# KiCad board central-control-unit.kicad_pcb (continued)
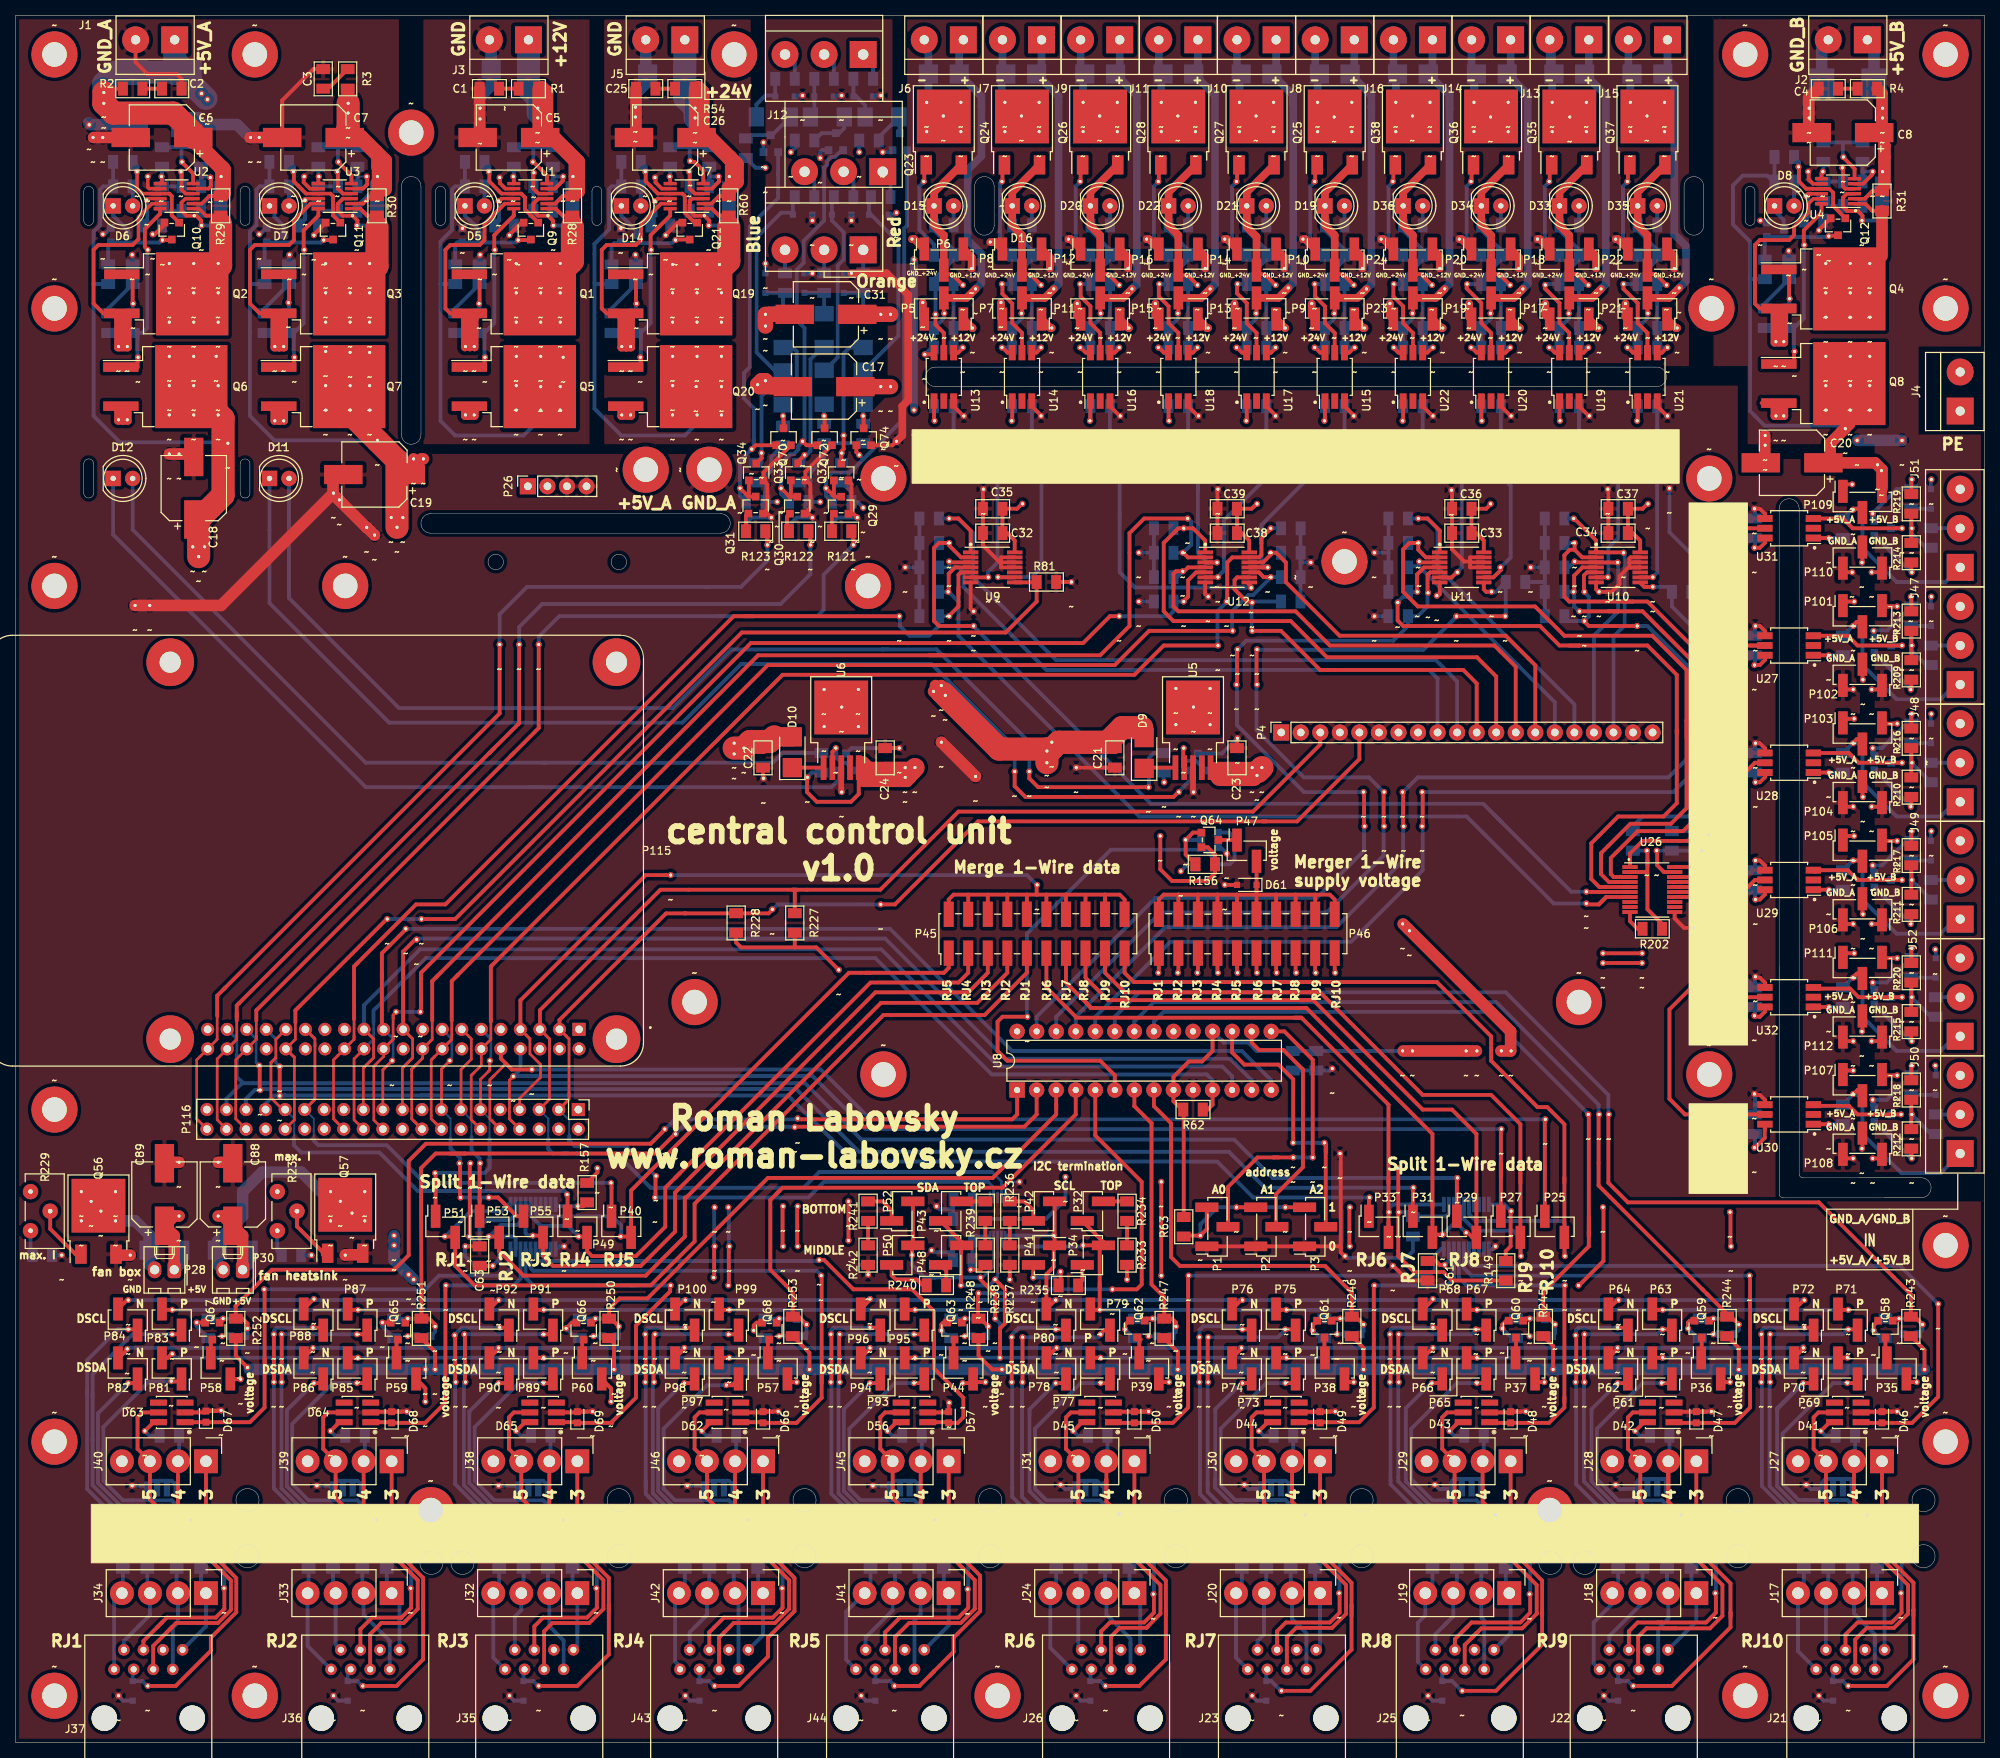
[diagram p0: board, top side]
## Routing (per net, layer and track width the routed paths; a pad name or vN(x,y) marks a point on that pad's centre or on a via; arc(x,y) is an arc through that point) (continued)
  Top w0.5: P47.2 D61.1 161.29,110.24 ; 168.91,110.24 170.82,110.24 171.45,109.6 P46.20 ; 168.91,110.24 P46.18 ; 168.91,110.24 166.37,110.24 ; P46.8 156.21,110.24 ; 156.21,110.24 153.67,110.24 ; 156.21,110.24 158.75,110.24 ; P46.14 163.83,110.24 ; 163.83,110.24 166.37,110.24 ; 163.83,110.24 161.29,110.24 ; 158.75,110.24 161.29,110.24 ; 158.75,110.24 P46.10 ; 161.29,110.24 P46.12 ; 151.13,110.24 149.23,110.24 148.59,109.6 P46.2 ; 151.13,110.24 153.67,110.24 ; 151.13,110.24 P46.4 ; 153.67,110.24 P46.6 ; 166.37,110.24 P46.16
/1-Wire bus/1WIRE_OUTDOOR_SENSOR_DATA_5V: length 76.3
  Top w0.5: D56.1 121.2,41.66 D57.1 122.46,41.57 123.19,42.29 123.19,44.83 119.38,48.64 119.38,56.07 116.52,58.93 108.9,58.93 105.09,62.74 ~#995.~
  Bottom w0.5: U24.15 67.61,62.95 67.94,62.61 104.33,62.61 ~#995.~
/1-Wire bus/1WIRE_OUTDOOR_SENSOR_DATA_OUT_3V3: length 77.6
  Top w0.5: 111.12,100.08 120.65,100.08 121.29,100.71 P45.1 ; 111.12,100.08 108.32,100.08 80.01,71.77 P40.2 79.91,65.79 78.74,65.79 ; 111.12,100.08 110.49,100.08
  Bottom w0.5: U24.6 67.61,68.77 67.96,68.42 77.56,68.42 78.74,67.24 78.74,65.79
/1-Wire bus/1WIRE_SECOND_FLOOR_FIREPLACE_DATA_5V: length 53.4
  Top w0.5: 85.09,59.44 85.09,58.67 80.64,54.22 80.64,44.83 77.56,41.75 77.56,41.57 D69.1 72.94,41.66 D65.1
  Bottom w0.25: 66.36,63.46 66.3,63.51 U24.17
  Bottom w0.5: 80.64,59.44 80.01,59.44 ; 80.01,59.44 85.09,59.44 ; 80.01,59.44 67.31,59.44 66.3,60.44 U24.17 66.3,63.32
/1-Wire bus/1WIRE_SECOND_FLOOR_FIREPLACE_DATA_OUT_3V3: length 89.9
  Top w0.5: ~#296.~ 68.35,65.91 P55.2 68.58,63.25 69.85,61.98 81.28,61.98 85.72,66.42 85.72,71.5 111.76,97.54 123.83,97.54 126.36,100.08 P45.5
  Bottom w0.25: U24.4 66.3,68.77 ; 66.3,67.24 66.3,66.79
  Bottom w0.5: ~#296.~ 66.61,65.91 66.3,66.22 U24.4
/ Relays Outputs/BLUE_LED_CON_1: length 3.2
  Bottom w0.5: 100.01,194.18 R132.2
/ Relays Outputs/BLUE_LED_CON_2: length 3.7
  Bottom w0.5: 103.82,201.17 103.82,203.07 102.55,204.34
/ Relays Outputs/BLUE_LED_CON_3: length 3.7
  Bottom w0.5: 101.28,216.41 101.28,218.31 100.01,219.58
/ Relays Outputs/ORANGE_LED_CON_1: length 3.2
  Bottom w0.5: 105.09,194.18 R131.2
/ Relays Outputs/ORANGE_LED_CON_2: length 3.7
  Bottom w0.5: 107.63,204.34 108.9,203.07 108.9,201.17
/ Relays Outputs/ORANGE_LED_CON_3: length 3.7
  Bottom w0.5: 106.36,216.41 106.36,218.31 105.09,219.58
/ Relays Outputs/RED_LED_CON_1: length 3.2
  Bottom w0.5: R130.2 110.17,194.18
/ Relays Outputs/RED_LED_CON_2: length 3.6
  Bottom w0.5: 113.73,201.17 113.73,203.33 112.71,204.34
/ Relays Outputs/RED_LED_CON_3: length 3.7
  Bottom w0.5: 111.44,216.41 111.44,218.31 110.17,219.58
/ Relays Outputs/TRAN_BLUE_LED: length 57.9
  Top w0.5: 95.26,161.98 ~#1106.~ ; 95.26,161.98 95.32,162.04 Q34.1 ; 95.26,161.98 Q31.3 ; ~#1109.~ 96.2,168.66 Q70.1
  Bottom w0.5: 99.12,201.54 99.12,201.29 ; 99.12,201.54 99.12,204.09 ; 99.12,201.54 99.12,200.78 95.44,197.1 95.44,178.82 94.68,178.05 94.68,174.75 95.95,173.48 95.95,169.42 ; Q69.1 99.12,204.09 ; 99.12,204.09 99.12,203.83 ; 95.95,169.42 95.95,168.4 94.17,166.62 94.17,162.05 R126.2 ; 95.95,169.42 95.95,168.91
/ Relays Outputs/TRAN_ORANGE_LED: length 59.1
  Top w0.5: ~#1108.~ 102.81,168.66 Q72.1 ; 100.61,161.97 ~#1105.~ ; 100.61,161.97 100.77,162.13 Q33.1 ; 100.61,161.97 Q30.3
  Bottom w0.5: R125.2 99.5,162.31 99.5,166.32 100.67,167.49 101.13,167.49 101.69,168.05 101.69,168.5 102.55,169.37 102.55,183.9 101.54,184.91 101.54,191.47 102.45,192.38 102.45,195.22 105.09,197.87 105.09,204.72 105.47,205.1 105.47,205.61 105.98,206.12 106.49,206.12 107.39,207.03 Q73.1 ; 101.79,168.15 101.79,168.66 ~#1108.~
/ Relays Outputs/TRAN_RED_LED: length 58.1
  Top w0.5: 106.24,162.18 106.36,162.31 Q32.1 ; 106.24,162.18 106.45,161.97 Q29.3 ; 106.24,162.18 ~#1104.~ ; Q74.1 109.29,167.76 ~#1107.~
  Bottom w0.5: Q71.1 115.88,197.23 115.51,196.85 115.51,172.16 108.45,165.1 106.11,165.1 105.35,164.34 105.35,162.05 R124.2 ; ~#1107.~ 110.07,166.98
/Connectors/PCB_FREE1_5V: length 12.1
  Top w0.5: U26.16 225.15,111.23 226.06,112.14 U29.5
/Connectors/PCB_FREE2_5V: length 28.8
  Top w0.5: 224.79,117.03 224.79,124.65 ; 224.79,117.03 224.79,116.4 ; 224.79,117.03 224.79,115.13 ; 224.79,124.65 224.79,123.57 ; 224.79,124.65 224.79,126.11 226.06,127.38 U28.5 ; 219.15,111.88 222.81,111.88 224.79,113.86 224.79,115.13 ; 219.15,111.88 U26.17 ; 219.15,111.88 220.27,111.88 ; 224.79,115.13 224.79,114.49
/Connectors/PCB_FREE3_5V: length 41.3
  Top w0.25: U26.18 215.65,112.53 215.72,112.45
  Top w0.5: 222.89,124.65 222.89,115.76 219.65,112.53 U26.18 ; 222.89,124.65 222.89,124.21 ; 222.89,124.65 222.89,140.72 224.79,142.62 U27.5 225.43,142.62
/Connectors/PCB_FREE4_5V: length 54.9
  Top w0.5: 217.39,113.83 219.05,113.83 220.98,115.76 220.98,125.92 ; 217.39,113.83 U26.20 ; 217.39,113.83 218.86,113.83 ; 220.98,125.92 220.98,154.05 224.79,157.86 U31.5 ; 220.98,125.92 220.98,124.84
/Connectors/PCB_PUMP_UNDERFLOOR_HEATING_FIRST_FOOR_5V: length 46.7
  Top w0.5: U30.5 216.98,81.66 214.95,83.69 214.95,95.31 220.98,101.35 220.98,108.78 219.83,109.93 U26.14
/Connectors/PCB_PUMP_UNDERFLOOR_HEATING_SECOND_FOOR_5V: length 23.2
  Top w0.5: U32.5 224.79,96.9 222.89,98.81 222.89,108.78 221.08,110.58 U26.15
/I2C bus/DSCL_N: length 299.4
  Top w0.5: 111.12,57.53 111.02,57.53 P96.2 ; 135.26,57.53 135.15,57.53 P80.2 133.99,60.9 134.94,61.85 134.94,64.54 P41.1 P42.2 ; P88.2 38.63,57.53 38.73,57.53 ; 14.6,57.53 14.5,57.53 P84.2 ; 208.28,57.53 208.18,57.53 P64.2 ; P92.2 62.76,57.53 62.86,57.53 ; 232.41,57.53 231.25,56.37 P72.2 ; 135.04,70.25 135.15,70.36 ; 159.39,57.53 159.28,57.53 P76.2 ; 182.88,56.37 182.99,56.37 184.15,57.53 ; P100.2 86.89,57.53 87,57.53
  Bottom w0.25: U25.6 129.73,65.79
  Bottom w0.5: 198.76,57.53 200.03,57.53 ; 198.76,57.53 176.53,57.53 ; 198.76,57.53 223.52,57.53 ; 53.97,57.53 38.1,57.53 ; 53.97,57.53 31.11,57.53 ; 53.97,57.53 78.74,57.53 ; 78.74,57.53 79.38,57.53 ; 78.74,57.53 125.09,57.53 ; 128.76,65.79 128.89,65.91 ~#983.~ ; 157.48,57.53 111.76,57.53 ; 157.48,57.53 176.53,57.53 ; 157.48,57.53 158.75,57.53 ; 176.53,57.53 178.08,57.53 ; 223.52,57.53 224.16,57.53 ; 223.52,57.53 232.41,57.53 ; 38.1,57.53 38.73,57.53 ; 38.1,57.53 14.6,57.53
/I2C bus/DSCL_P: length 285.9
  Top w0.5: P34.2 140.91,64.16 140.91,59.18 ; P34.2 141.39,65.07 P32.1 ; P34.2 ~#982.~ ; 20.32,56.26 19.16,56.26 P83.2 ; P75.2 163.94,56.26 165.1,56.26 ; 115.57,56.37 115.67,56.26 116.84,56.26 ; ~#230.~ 140.91,59.18 ; 140.91,59.18 140.91,59.84 ; 44.45,56.26 43.28,56.26 43.18,56.37 ; P91.2 67.41,56.26 68.58,56.26 ; P63.2 212.83,56.26 214,56.26 ; 139.7,56.37 139.81,56.26 140.97,56.26 ; 92.71,56.26 91.55,56.26 P99.2 ; P67.2 188.7,56.26 189.87,56.26 ; P71.2 236.96,56.26 238.12,56.26
  Bottom w0.35: U25.7 128.13,64.78 128.43,64.48
  Bottom w0.5: 177.8,56.26 199.39,56.26 ; 177.8,56.26 154.94,56.26 ; 177.8,56.26 178.44,56.26 ; 199.39,56.26 200.03,56.26 ; 199.39,56.26 222.89,56.26 ; 154.94,56.26 155.22,56.26 ; 154.94,56.26 124.46,56.26 125.09,56.26 ; ~#982.~ 138.59,64.48 128.43,64.48 ; 125.73,56.26 31.11,56.26 ; 222.89,56.26 238.12,56.26 ; 222.89,56.26 223.52,56.26 ; 20.32,56.26 53.97,56.26
/I2C bus/DSDA_N: length 280.2
  Top w0.5: 207.01,50.55 P62.2 208.22,51.22 ~#267.~ ; ~#242.~ 159.32,51.22 P74.2 158.12,50.55 ; ~#996.~ 127.32,58.29 125.41,60.2 ; ~#220.~ 111.06,51.22 P94.2 109.86,50.55 ; 116.73,70.36 116.63,70.25 P50.1 116.52,64.54 ~#981.~ ; P82.2 13.44,50.02 14.6,51.18 ; 61.59,50.55 P90.2 62.8,51.22 ~#196.~ ; ~#279.~ 232.35,51.22 P70.2 231.14,50.55 ; ~#207.~ 86.93,51.22 P98.2 87,51.29 ; ~#255.~ 182.92,50.02 182.88,50.02 182.88,50.55 ; ~#231.~ 135.28,51.31 P78.2 133.99,50.55 ; 37.46,50.55 P86.2 38.67,51.22 ~#185.~
  Bottom w0.25: 125.67,60.45 ~#997.~
  Bottom w0.35: U25.9 127.14,61.92 125.67,60.45
  Bottom w0.5: ~#279.~ 231.58,51.31 231.57,51.32 ; 175.44,51.32 158.45,51.32 158.43,51.31 ; 175.44,51.32 207.44,51.32 207.45,51.31 213.67,51.31 213.69,51.32 231.57,51.32 ; 175.44,51.32 176.04,51.32 ; 158.43,51.31 143.83,51.31 143.81,51.32 140.66,51.32 140.65,51.31 127.95,51.31 ; 158.43,51.31 159.7,51.31 ; 119.44,60.45 118.17,60.45 116.52,62.1 ~#981.~ ; 119.44,60.45 ~#997.~ ; 119.44,60.45 118.43,60.45 ; 231.57,51.32 232.08,51.32 232.35,51.59 ; 37.77,51.32 37.78,51.31 ~#185.~ ~#196.~ ~#207.~ ~#220.~ 127.95,51.31 ; 37.77,51.32 38.18,51.32 ; 37.77,51.32 14.68,51.32 ~#181.~ ; ~#996.~ 127.95,54.48 127.95,51.31
/I2C bus/DSDA_P: length 264.2
  Top w0.5: ~#208.~ 91.46,50.04 P97.2 ; ~#243.~ 163.85,50.04 P73.2 ; ~#999.~ 128.59,58.93 128.59,54.48 127.95,53.85 ~#998.~ ; 139.7,50.02 139.72,50.04 ~#232.~ ; P61.2 212.75,50.04 ~#268.~ ; P89.2 67.33,50.04 ~#195.~ ; 115.57,50.02 115.59,50.04 ~#221.~ ; ~#980.~ 122.87,64.54 P48.2 122.98,65.07 P43.1 ; ~#280.~ 236.88,50.04 P69.2 ; P81.2 19.79,50.02 20.32,50.55 ; 43.18,50.02 43.2,50.04 ~#184.~ ; P65.2 188.62,50.04 ~#256.~
  Bottom w0.25: 127.64,61.25 127.59,61.2 ; 127.64,62.42 127.63,62.42
  Bottom w0.35: U25.8 127.64,60.52 ~#999.~
  Bottom w0.5: 43.37,50.04 ~#184.~ 66.99,50.04 ; 43.37,50.04 20.89,50.04 ~#182.~ ; 43.37,50.04 44.01,50.04 ; ~#980.~ 126.56,59.44 ~#999.~ ; 66.99,50.04 68.14,50.04 ; 66.99,50.04 ~#208.~ ~#221.~ ~#280.~
/MCP23S17_A0: length 40.3
  Top w0.5: 164.15,76.07 163.51,76.07 ; 163.51,76.07 ~#1023.~ ; 163.51,76.07 161.42,76.07 157.59,72.24 157.59,71.84 ; 157.59,71.84 P1.2 ; 157.59,71.84 157.59,72.05 ; 168.59,87.5 168.59,88.77 164.91,92.46 U8.15 ; 168.59,87.5 ~#1024.~ ; 168.59,87.5 168.59,88.33
  Bottom w0.5: 167.32,76.07 ~#1023.~ ~#1024.~
/MCP23S17_A1: length 32.2
  Top w0.5: U8.16 160.66,91 161.61,90.04 164.78,90.04 167.32,87.5 167.32,74.8 163.83,71.31 163.83,69.6 ; 163.83,67.06 163.83,69.6 ; 163.83,69.6 163.83,70.34
/MCP23S17_A2: length 36.8
  Top w0.5: 170.29,67.16 P3.2 170.29,76.79 ; 170.29,76.79 170.29,77.81 ~#1025.~ ; 170.29,76.79 170.29,77.56 ; U8.17 158.12,89.73 159.7,88.14 164.15,88.14 166.05,86.23 ~#1026.~
  Bottom w0.5: 169.35,77.98 169.86,77.98 ; 169.35,77.98 ~#1026.~ ; 169.35,77.98 ~#1025.~
CELLAR_FIREPLACE_DSCL_N_CON: length 13.6
  Bottom w0.5: J37.1 12.83,18.41 J34.4 13.97,19.56 R185.1
CELLAR_FIREPLACE_DSCL_P_CON: length 13
  Bottom w0.5: R184.1 17.15,19.77 J34.3 17.48,16.6 16.51,15.62 ; J37.2 14.1,13.21 16.51,15.62 ; 16.51,15.62 15.88,14.99
CELLAR_FIREPLACE_DSDA_N_CON: length 14.1
  Bottom w0.5: 21.12,16.43 21.12,17.06 ; 21.12,17.06 J34.2 20.95,19.6 R183.1 ; 21.12,17.06 21.12,15.6 20.45,14.92 J37.7
CELLAR_FIREPLACE_DSDA_P_CON: length 12.1
  Bottom w0.5: R182.1 24.13,20.07 J34.1 24.77,15.11 J37.8
Earth_Protective: length 85.7
  GND.Cu w0.5: 252.73,178.18 J4.1 246.38,173.1 239.4,166.12 225.23,166.12 222.57,168.78 218.12,168.78 216.22,166.88 216.22,161.8 219.08,158.94 219.08,145.16 212.76,138.84 P4.20
FIRST_FLOOR_FIREPLACE_DSCL_N_CON: length 14.4
  Bottom w0.5: J36.1 37.98,12.57 J33.4 38.1,19.56 R189.1
FIRST_FLOOR_FIREPLACE_DSCL_P_CON: length 13.8
  Bottom w0.5: 41.61,16.6 J33.3 ; J33.3 41.27,19.77 R188.1 ; J33.3 41.61,12.74 J36.2
FIRST_FLOOR_FIREPLACE_DSDA_N_CON: length 14.6
  Bottom w0.5: 48.64,9.53 48.64,13.23 45.25,16.62 J33.2 45.09,19.6 R187.1
FIRST_FLOOR_FIREPLACE_DSDA_P_CON: length 11.2
  Bottom w0.5: R186.1 48.26,20.07 J33.1 49.91,18.41 J36.8
FREE1_DSCL_N_CON: length 13.9
  Bottom w0.5: J26.1 134.5,12.32 134.5,18.8 135.26,19.56 135.26,21.97
FREE1_DSCL_P_CON: length 10.2
  Bottom w0.5: 138.43,21.97 138.43,19.09 138.14,18.8 138.14,12.49 J26.2
FREE1_DSDA_N_CON: length 14.1
  Bottom w0.5: 141.61,21.97 141.61,18.97 141.78,18.8 141.78,16.66 144.91,13.52 144.91,12.64 ; 144.91,12.64 144.91,9.53 ; 144.91,12.64 144.91,12.95
FREE1_DSDA_P_CON: length 10.5
  Bottom w0.5: J26.8 146.18,18.03 144.78,19.43 144.78,21.97
FREE2_DSCL_N_CON: length 20.9
  Bottom w0.5: J23.1 158.62,11.05 158.62,18.8 ; 159.39,21.97 159.39,19.56 158.62,18.8 ; 158.62,18.8 158.62,11.3
FREE2_DSCL_P_CON: length 10.9
  Bottom w0.5: 162.56,21.97 162.56,19.09 162.27,18.8 ; 162.27,18.8 162.27,14.06 161.42,13.21 J23.2 ; 162.27,18.8 161.93,18.46
FREE2_DSDA_N_CON: length 14.7
  Top w0.5: 167.51,9.27 167.89,9.65
  Bottom w0.5: 166.37,15.62 167.77,14.22 J23.7 ; 166.37,15.62 167.01,14.98 ; 166.37,15.62 165.91,16.09 165.91,18.8 165.74,18.97 165.74,21.97
FREE2_DSDA_P_CON: length 14.8
  Bottom w0.5: 169.55,18.8 169.55,12.57 J23.8 ; 169.55,18.8 169.55,14.35 ; 169.55,18.8 168.91,19.43 168.91,21.97
FREE3_DSCL_N_CON: length 13.7
  Bottom w0.5: 184.15,21.97 184.15,19.73 183.22,18.8 183.22,16.55 182.25,15.58 182.25,10.54 183.26,9.53
FREE3_DSCL_P_CON: length 12
  Bottom w0.5: J25.2 184.53,14.1 186.06,15.62 ; 186.06,15.62 186.86,16.43 186.86,18.8 187.33,19.26 187.33,21.97 ; 186.06,15.62 185.42,14.99
FREE3_DSDA_N_CON: length 12.6
  Bottom w0.5: 190.5,21.97 190.5,16.26 190.88,15.87 J25.7
FREE3_DSDA_P_CON: length 13.8
  Bottom w0.5: 194.31,14.35 194.31,14.92 ; 194.31,14.92 194.31,14.22 J25.8 193.68,13.59 ; 194.31,14.92 194.31,18.63 193.68,19.26 193.68,21.97
FREE4_DSCL_N_CON: length 14.1
  Bottom w0.5: 208.28,21.97 208.28,19.56 207.52,18.8 207.52,18.04 205.11,15.62 205.11,10.29 J22.1
FREE4_DSCL_P_CON: length 11.7
  Bottom w0.5: 211.46,21.97 211.46,19.09 211.16,18.8 211.16,17.87 207.14,13.84 J22.2
FREE4_DSDA_N_CON: length 13.1
  Bottom w0.5: J22.7 213.49,14.77 214.8,16.09 214.8,18.8 214.63,18.97 214.63,21.97
FREE4_DSDA_P_CON: length 11.7
  Bottom w0.5: 217.81,21.97 217.81,19.43 218.44,18.8 218.44,15.75 J22.8
FREE5_DSCL_N_CON: length 13.7
  Bottom w0.5: 232.41,21.97 232.41,19.56 231.65,18.8 231.65,11.89 J21.1
FREE5_DSCL_P_CON: length 12.2
  Bottom w0.5: J21.2 235.28,18.79 235.29,18.8 ; 235.29,18.8 235.59,19.09 235.59,21.97 ; 235.29,18.8 235.29,16.6
FREE5_DSDA_N_CON: length 14.4
  Bottom w0.5: 241.63,12.59 241.63,14.08 238.93,16.78 238.93,18.8 238.76,18.97 238.76,21.97 ; 241.63,12.59 241.63,13.38 ; 241.63,12.59 J21.7
FREE5_DSDA_P_CON: length 10.3
  Bottom w0.5: 241.94,21.97 241.94,19.43 242.9,18.46 J21.8
HOT_WATER_TANK_DSCL_N_CON: length 13.9
  Bottom w0.5: J43.1 86.36,9.91 85.72,10.54 85.72,18.92 J42.4 87,20.19 R201.1
HOT_WATER_TANK_DSCL_P_CON: length 13.9
  Bottom w0.5: R200.1 90.17,19.73 J42.3 89.88,16.6 ; 89.88,16.6 87.63,14.35 J43.2 ; 89.88,16.6 88.27,14.99
HOT_WATER_TANK_DSDA_N_CON: length 13.3
  Bottom w0.5: R199.1 93.34,19.6 J42.2 93.98,18.97 J43.7
HOT_WATER_TANK_DSDA_P_CON: length 12.2
  Bottom w0.5: J43.8 97.16,13.97 97.16,14.99 ; R198.1 96.52,20.07 J42.1 97.16,14.99 ; 97.16,14.99 97.16,14.35
I2C_SCL: length 211
  Top w0.25: 67.94,93.26 68.04,93.36
  Top w0.35: P116.5 69.41,83.63 69.41,91.06 ; 69.41,91.31 69.41,91.06 ; 69.41,91.06 69.41,91.48 P115.5 69.34,91.55
  Top w0.5: 101.6,110.87 100.97,110.87 ; 100.97,110.87 101.16,110.87 ; 100.97,110.87 83.82,110.87 80.01,107.06 ; 80.01,107.06 80.64,107.7 ; 80.01,107.06 68.17,95.22 P115.5 ; R227.2 101.28,110.74 101.16,110.87 ; 101.16,110.87 112.39,110.87 122.55,121.03 160.85,121.03 169.58,129.76 P4.3
  Bottom w0.25: 69.25,79.38 69.25,81.12 ; 69.25,81.12 69.25,78.52 69.22,78.49 ; 69.25,81.12 P116.5
  Bottom w0.35: 126.94,74.17 128.14,72.97 U25.4
  Bottom w0.5: 71.75,76.58 71.12,76.58 ; 71.75,76.58 69.85,76.58 69.25,77.18 69.25,78.52 ; 71.75,76.58 78.11,76.58 82.55,72.14 87,72.14 ; 126.94,74.17 104.46,74.17 102.43,72.14 87,72.14 ; 87,72.14 86.36,72.14
I2C_SDA: length 211.4
  Top w0.35: 71.88,83.57 P116.3 71.95,83.63 71.95,84.46 ; 71.95,84.46 71.95,83.95 ; 71.95,84.46 71.95,91.48 P115.3 71.88,91.55
  Top w0.5: P115.3 70.71,93.95 80.64,103.89 ; P4.5 174.66,127.86 166.56,119.76 162.12,119.76 ; 87.1,107.8 84.56,107.8 80.64,103.89 ; 87.1,107.8 86.93,107.8 ; 87.1,107.8 93.68,107.8 ; 83.19,70.87 83.19,73.69 ; 162.12,119.76 162.56,119.76 ; 162.12,119.76 125.09,119.76 114.3,108.97 112.39,108.97 ; 80.64,103.89 81.39,104.63 ; 98.42,108.33 97.89,107.8 93.68,107.8 ; R228.2 93.68,107.8
  Bottom w0.25: P116.3 71.98,80.93 71.98,78.9
  Bottom w0.35: U25.2 127.14,72.19 126.43,72.9
  Bottom w0.5: 73.94,77.57 72.67,77.57 71.98,78.26 71.98,78.9 ; 73.94,77.57 79.3,77.57 ; 73.94,77.57 73.31,77.57 ; 79.3,77.57 80.47,76.4 79.38,77.5 ; 79.3,77.57 83.19,73.69 ; 98.42,108.33 99.06,108.97 112.39,108.97 ; 86.36,70.87 83.19,70.87 ; 86.36,70.87 87.19,70.87 ; 86.36,70.87 86.01,70.87 ; 87.19,70.87 87.63,70.87 ; 87.19,70.87 103.06,70.87 105.09,72.9 126.43,72.9
OTHER_+3V3: length 82.8
  Top w0.5: U5.5 C23.1 160.66,126.75
  Top w1.5: 160.66,126.75 161.93,126.75 ; ~#386.~ 156.02,126.75
  Top w2.5: ~#358.~ 160.85,125.6 156.53,125.6
  Top w3: ~#358.~ 161.48,126.24
  PWR.Cu w0.5: 149.23,124.84 159.39,124.84 160.66,126.11 160.66,126.75 162.56,126.75 ; 179.71,126.75 162.56,126.75 ; 162.56,126.75 163.2,126.75
  PWR.Cu w1.5: 179.26,126.75 180.53,126.75 182.28,128.49 P4.8 ; 160.66,126.75 161.35,126.75 ; 161.35,126.75 ~#1145.~ ; 161.35,126.75 179.71,126.75 ; 166.81,126.75 167.04,126.97 P4.2
  Bottom w0.5: 149.23,124.84 R52.1
OTHER_+5V_A: length 1547
  Top w0.5: 62.02,61.98 C63.1 ; 238.76,148.34 238.02,148.34 P101.1 ; C61.1 184.59,62.61 185.1,62.1 ~#313.~ ; 238.76,102.62 238.02,102.62 P111.1 ; 226.06,77.34 227.33,78.61 227.33,80.37 U30.6 227.36,79.78 ; Q65.2 48.75,54.61 ~#193.~ ; ~#180.~ 24.4,54.61 24.64,54.85 24.64,54.8 ; 72.79,54.48 Q66.2 72.31,54.59 ~#203.~ ; ~#281.~ 241.49,54.27 Q58.2 ; ~#257.~ 193.23,54.36 193.72,54.85 Q60.2 ; ~#246.~ 168.59,54.36 168.67,54.36 Q61.2 ; U31.6 227.36,155.98 226.7,155.32 226.06,155.32 ; 238.76,117.86 238.02,117.86 P105.1 ; ~#984.~ 125.41,61.47 126.05,62.1 ; 238.76,87.38 238.02,87.38 P107.1 ; Q64.2 154.94,116.4 155.89,115.44 R156.1 155.89,113.03 154.88,112.01 150.3,112.01 148.78,113.54 148.78,117.6 ; ~#271.~ 217.36,54.61 217.6,54.85 Q59.2 ; 238.76,163.58 238.02,163.58 237.49,163.05 ; 97.01,54.61 Q68.2 96.31,54.59 95.95,54.23 ~#217.~ ; 226.06,124.84 226.7,124.84 227.36,125.5 U28.6 ; 226.06,109.6 226.7,109.6 227.36,110.26 227.36,110.87 ; U27.6 227.36,140.74 226.7,140.08 226.06,140.08 ; 238.76,133.1 238.02,133.1 P103.1 ; ~#235.~ 144.21,54.36 144.45,54.59 ; U32.6 227.36,95.02 226.7,94.36 226.06,94.36 ; Q63.2 120.59,54.61 120.33,54.36 ~#222.~ ; U26.19 214.23,113.18 213.36,114.05 213.36,115.95 ; ~#985.~ 144.46,62.1
  Top w1: 119.57,137.41 119.32,137.16 ~#1141.~ 120.33,136.65 ; 120.33,136.65 120.59,136.4 ; 120.33,136.65 ~#406.~
  Top w1.5: 43.38,174.17 Q7.3 43.38,172.9 47.09,169.2 ; P28.1 20.64,65.91 C89.1 20.64,68.45 ~#1022.~ ; ~#1141.~ 119.82,136.14 ~#405.~ 120.84,136.91 ~#406.~ ; P30.1 29.53,65.91 C88.1 26.99,68.45 ~#1021.~ ; 142.88,129.92 C21.1 132.72,129.29 ; 119.57,137.41 120.59,136.4 ; 133.99,129.29 133.99,127.38 ; ~#1008.~ 51.75,165.86 C19.1 52.77,166.88 ~#1009.~
  Top w3: 134.05,129.16 134.68,129.16 135.57,130.05 141.92,130.05 143.83,131.95 146.37,131.95 ; 134.05,129.16 ~#353.~ ; 134.05,129.16 127.83,129.16 120.59,136.4 ; ~#768.~ 49.59,166.69 43.5,172.78 ~#871.~
  PWR.Cu w0.5: 26.99,73.53 31.5,73.53 34.04,70.99 ; 26.99,73.53 26.35,73.53 ; 26.99,73.53 20.64,73.53 20.32,73.22 ; 226.06,155.32 221.62,155.32 ; ~#984.~ 121.6,61.47 ; 121.6,61.47 120.59,61.47 120.33,61.21 ; 121.6,61.47 120.78,61.47 ; 47.69,60.2 47.69,60.58 ; 47.69,60.2 47.69,60.96 47.18,61.47 ; 47.69,60.2 ~#193.~ ; ~#281.~ 241.49,67.5 ; ~#235.~ 144.21,59.94 ~#985.~ 144.46,67.18 144.89,67.61 ; 237.41,117.94 237.49,117.86 238.76,117.86 ; 95.95,54.61 95.95,55.12 ; 95.95,55.12 ~#217.~ ; 95.95,55.12 95.95,67.31 95.65,67.61 ; ~#222.~ 120.33,61.21 ; 217.09,67.61 217.36,67.34 ~#271.~ ; 141.61,136.27 141.29,135.95 ; 52.77,65.66 53.09,65.98 ; 33.46,57.02 33.78,57.34 ; 221.62,124.21 221.62,124.84 226.06,124.84 ; 146.05,140.72 164.47,140.72 ; 120.33,61.21 120.33,67.18 120.76,67.61 120.65,67.5 ; ~#180.~ 23.56,56.13 24.13,56.71 ; ~#257.~ 193.23,61.85 193.68,62.29 193.68,67.53 193.59,67.61 ; 62.02,61.98 63.5,63.46 63.5,67.69 ; 1.97,70.87 7.18,76.07 9.84,76.07 ; 28.64,57.28 28.7,57.34 ; 9.84,76.07 12.38,76.07 ; 9.84,76.07 17.46,76.07 ; 221.62,115.76 221.42,115.95 219.08,115.95 ; 69.83,67.61 69.83,62.95 71.56,61.21 71.56,54.86 ; 226.06,77.34 225.11,77.34 ; 48.26,61.15 48.58,61.47 ; 133.99,126.11 133.99,129.29 ; 237.41,133.02 237.49,133.1 238.76,133.1 ; 238.76,148.34 237.49,148.34 237.41,148.26 ; 237.41,87.93 237.96,87.38 238.76,87.38 ; 221.62,101.98 221.62,101.35 226.06,96.9 226.06,94.36 ; 71.56,54.86 71.56,54.48 ; 71.56,54.86 ~#203.~ ; 226.06,109.6 221.62,109.6 ; ~#246.~ 168.59,67.31 168.29,67.61 ; 226.06,140.08 221.62,140.08 ; 148.97,121.35 148.78,121.16 ~#1065.~ ; 238.76,102.62 237.49,102.62 237.41,102.54 ; 152.4,121.03 152.08,121.35 ; ~#313.~ 182.88,64.96 182.88,67.53 182.8,67.61 182.88,67.69 ; 238.76,163.58 235.59,163.58 ; 241.49,68.01 241.38,68.12
  PWR.Cu w1: 102.81,207.52 108.9,207.52 ~#1086.~ ; 102.81,207.52 101.54,207.52 ; 102.81,207.52 101.28,207.52 ; 105,160.88 ~#1077.~ 103.82,162.05 103.82,168.66 106.36,171.2 111.7,171.2 113.73,173.23 ~#1082.~ ; 105,160.88 105,146.65 ; 105,160.88 109.82,160.88 ~#1078.~ ; 99.66,146.65 99.5,146.81 99.5,160.78 ~#1076.~ ; ~#1083.~ 113.98,195.58 113.98,196.34 109.92,200.41 100.01,200.41 97.47,202.95 ~#1084.~ 100.27,207.52 101.28,207.52 ; 101.28,207.52 101.28,207.26 ~#1085.~ ; 99.89,146.88 100.11,146.65
  PWR.Cu w1.5: 208.83,67.61 241.38,67.61 ; 208.83,67.61 208.92,67.69 208.92,107.7 ; 208.83,67.61 54.72,67.61 48.58,61.47 39.05,61.47 34.92,57.34 24.77,57.34 24.13,56.71 ; 120.65,136.27 113.44,143.48 108.17,143.48 105,146.65 56.74,146.65 49.59,153.8 49.59,159.26 ; 208.92,107.7 198.76,107.7 185.1,121.35 136.21,121.35 133.99,123.57 133.99,129.29 145.42,140.72 ; 208.92,107.7 213.36,107.7 ; 221.62,141.99 221.62,121.03 ; 221.62,141.99 221.62,157.23 ; 221.62,141.99 221.62,140.72 ; 221.62,157.23 221.62,158.5 ; 221.62,157.23 221.62,159.13 226.7,164.21 234.95,164.21 237.41,161.75 237.41,86.66 ; ~#1021.~ 23.81,68.45 ; 23.81,68.45 23.81,69.72 13.02,80.52 13.02,154.81 18.1,159.89 36.51,159.89 38.42,161.8 38.42,163.7 41.59,166.88 ~#1008.~ ~#1009.~ ; 23.81,68.45 ~#1022.~ ; 221.62,108.33 221.62,121.03 ; 221.62,108.33 221.62,101.98 214.95,95.31 214.95,82.42 220.03,77.34 226.06,77.34 ; 221.62,108.33 220.98,107.7 213.36,107.7 ; P4.1 164.5,140.05 163.83,140.72 160.02,140.72 ; 145.42,140.72 146.05,140.72 ; 145.42,140.72 160.66,140.72 ; 221.62,121.03 221.62,119.76 ; 213.36,107.7 219.08,107.7
  Bottom w0.25: 62.86,65.15 62.86,63.25 ; 65.02,64.13 U24.19 ; 186.29,63.52 186.31,63.5
  Bottom w0.5: 62.86,62.83 62.86,65.15 63.5,65.79 64.77,65.79 65,65.55 U24.19 ; 62.86,62.83 62.86,63.25 ; 62.86,62.83 62.02,61.98 ; 30.48,189.61 30.48,172.47 33.66,169.29 46.99,169.29 ; 30.48,189.61 R46.1 ; 30.48,189.61 30.48,196.41 31.34,197.26 31.34,201.9 31.75,202.31 R50.1 R42.1 ; 226.06,77.34 C79.1 C73.1 ; ~#180.~ 23.56,54.1 R159.1 ; 222.89,97.47 224.72,95.63 C81.1 226.06,94.36 ; 94.93,206.25 R254.1 96.2,204.72 ~#1084.~ ; ~#271.~ 218.63,52.58 R151.1 ; ~#203.~ 72.83,52.58 R161.1 ; 103.06,163.83 R128.1 103.31,163.83 ; ~#217.~ 96.96,52.58 R158.1 ; ~#257.~ 194.5,52.58 R152.1 ; ~#1076.~ R126.1 ; R126.1 97.47,162.56 ; R126.1 97.47,163.83 ; ~#193.~ 47.69,54.1 R160.1 ; 103.31,163.83 103.31,161.54 R125.1 ~#1077.~ ; 103.31,163.83 103.31,165.1 105.09,166.88 R257.1 R259.1 ; ~#984.~ 124.4,61.72 C67.1 124.4,65.21 C66.1 124.97,65.79 126.43,65.79 ; ~#1078.~ 109.41,161.29 R124.1 108.65,162.56 R127.1 ; R258.1 101.28,207.26 ~#1085.~ ; R153.1 169.61,52.58 ~#246.~ ; ~#222.~ 121.35,52.58 R155.1 ; C71.1 C77.1 226.06,124.84 ; 226.06,109.6 226.06,110.87 222.89,110.87 ; C80.1 226.06,155.32 ; C80.1 226.06,155.96 ; C80.1 C74.1 ; R150.1 242.51,52.58 ~#281.~ ; 97.47,163.83 97.47,164.59 98.23,165.35 98.23,167.13 R255.1 ; 97.47,163.83 R129.1 ; 213.36,115.95 C69.1 219.08,115.95 ; ~#235.~ 145.35,52.58 R154.1 ; 226.06,140.08 C76.1 C70.1 ; ~#1086.~ R256.1 ; ~#313.~ 186.29,62.66 U23.19
  Bottom w1: 116.78,191.52 ~#1082.~ ; 116.78,191.52 116.78,192.28 ; 116.78,191.52 ~#1083.~
  Bottom w1.5: P28.1 21.37,62.2 D58.1 ; D59.1 30.26,62.2 P30.1
OTHER_+5V_B: length 262.1
  Top w0.5: 244.48,132.46 242.68,132.46 P103.3 ; P105.3 242.68,117.22 243.4,117.22 ; 243.9,101.98 242.68,101.98 P111.3 ; 243.9,101.98 ~#687.~ ; 243.9,101.98 244.48,101.98 ; ~#689.~ 243.9,132.46 ; P101.3 242.68,147.7 243.21,147.7 ; ~#688.~ 243.4,117.22 ; 243.4,117.22 244.48,117.22 ; P107.3 242.68,86.74 244.16,86.74 ; ~#578.~ 244.16,86.74 ; 244.16,86.74 244.48,86.74 ; 244.04,147.7 243.21,147.7 ; 243.21,147.7 244.48,147.7
  Top w1.5: 238.33,172.27 Q8.3 238.33,171.4 237.81,170.88 ; 235.84,166.75 235.84,168.91 237.81,170.88 ; 237.81,170.88 237.17,170.24 ; C20.1 241.68,166.37 242.57,165.48 242.57,163.05
  PWR.Cu w0.5: 244.48,147.7 243.84,147.7 243.76,147.62 ; ~#687.~ 243.98,102.54 243.76,102.54 ; 243.76,132.6 243.9,132.46 ~#689.~ ; 243.84,86.74 243.76,86.82 ; 243.76,117.59 244.12,117.22 ~#688.~
  PWR.Cu w1.5: 241.94,166.12 243.76,164.29 243.76,86.82
  PWR.Cu w2: ~#712.~ 243.52,164.6 243.52,163.06 ; 243.52,163.06 243.52,87.06 ; 243.52,163.06 243.52,164.11 ; 243.52,87.06 243.84,86.74 ~#578.~ ; 243.52,87.06 243.76,86.82
  Bottom w0.5: 228.6,206.12 228.6,202.95 228.41,202.95 227.65,203.71 224.47,203.71 223.2,202.44 223.2,197.36 225.43,195.14 225.43,190.25 ; 225.43,190.25 R47.1 226.06,190.25 ; 225.43,190.25 225.43,173.1 226.05,172.48 226.05,172.47 227.32,171.2 237.49,171.2 237.81,170.88
OUTDOOR_SENSOR_DSCL_N_CON: length 14.9
  Bottom w0.5: J44.1 107.95,10.8 107.95,17.02 J41.4 111.12,20.19 R197.1
OUTDOOR_SENSOR_DSCL_P_CON: length 12.1
  Bottom w0.5: R196.1 114.3,19.73 J41.3 114,17.19 110.49,13.67 J44.2
